# KiCad board MiniCamel.kicad_pcb (continued)
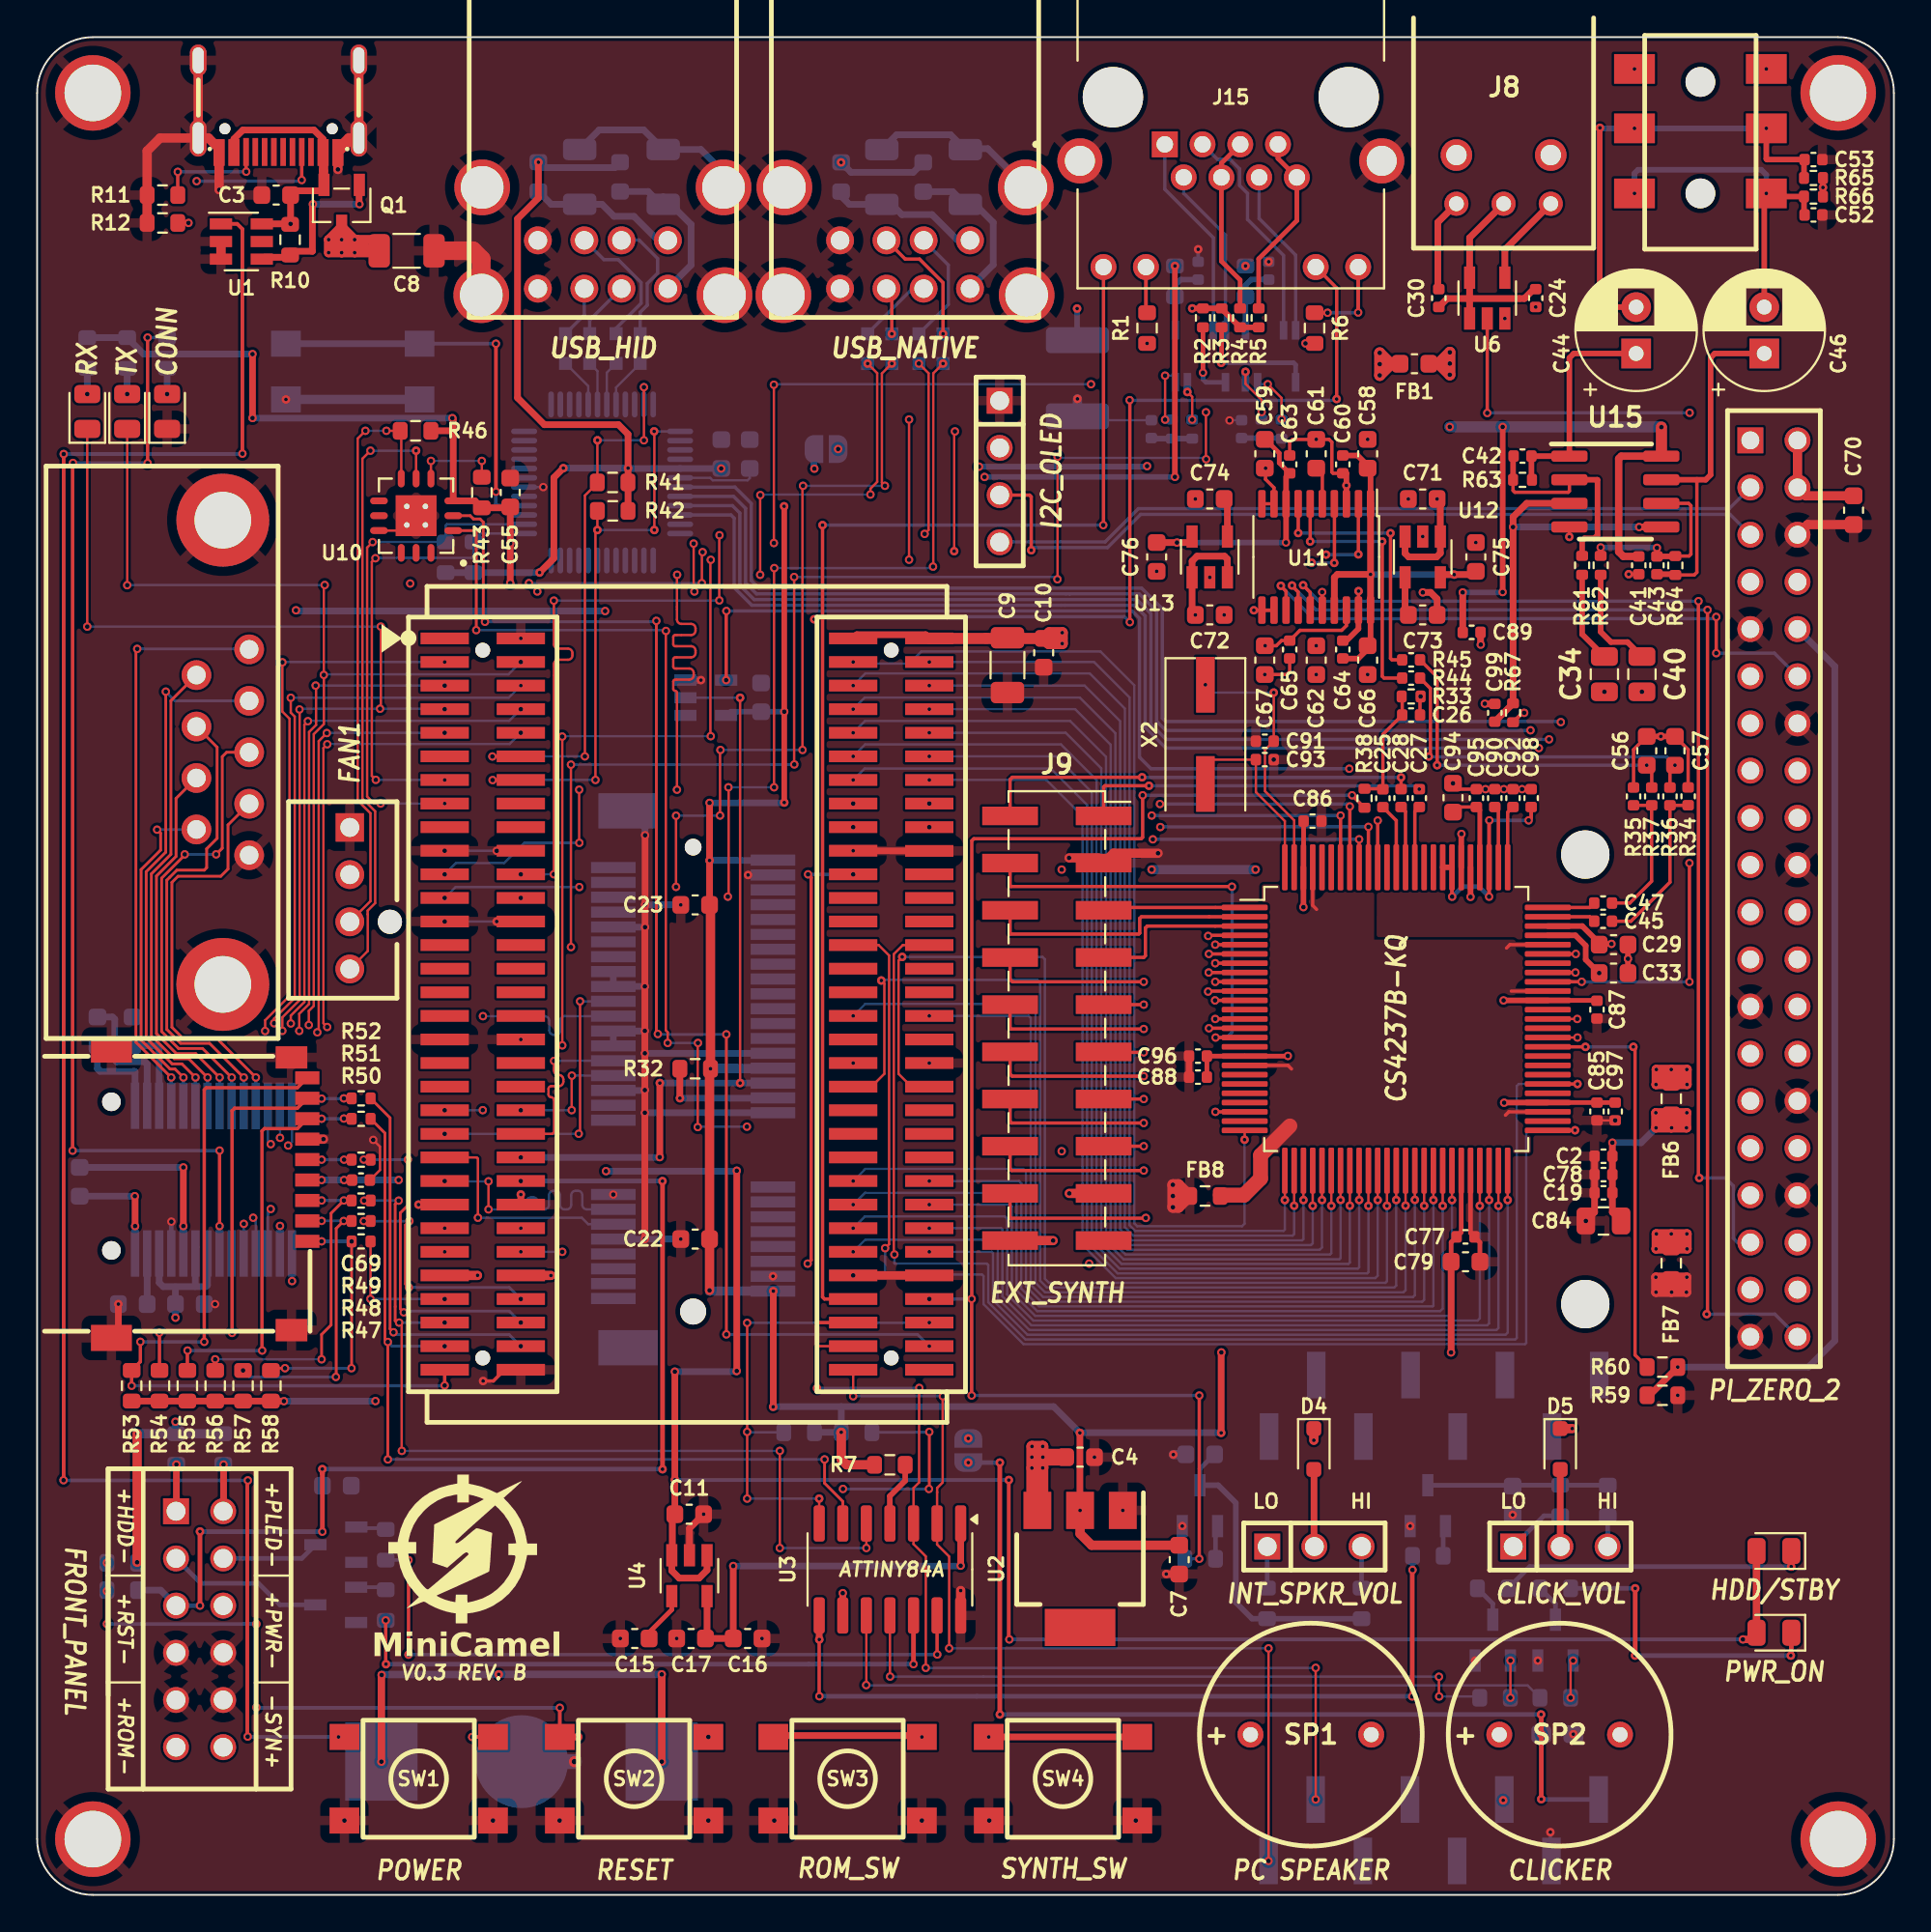
[diagram p0: board, top side]
## Routing (per net, layer and track width the routed paths; a pad name or vN(x,y) marks a point on that pad's centre or on a via; arc(x,y) is an arc through that point) (continued)
SGND: length 17.6
  Top w0.18: U14.18 67.37,44.65 67.56,44.46 ; U14.66 79.4,48.65 ; 79.08,41.97 79.26,42.15 U14.53 ; 79.14,50.97 79.32,51.15 U14.71 ; 68.91,53.05 68.7,53.26 U14.97
  Top w0.36: 63.72,37.62 63.72,37.67
  Top w0.8: 63.72,37.67 65,37.67 65.89,38.56 65.89,39.81 67.47,41.39
VBUS: length 187.2
  Top w0.2: v2(52.33,22.33) 52.33,13.78 v1(52.36,13.75) ; 92.4,14.31 92.4,14.31
  Top w0.36: 37.65,28.17 v1(37.68,28.2) v1(37.68,38.98) ; 10.6,93.82 10.6,94.52 11.08,95 14.91,95 15.4,94.51 15.4,93.82 ; Q1.3 15.45,91.73 13.88,91.73 C3.2 v1(13.65,89.95) ; 34.21,20.36 34.21,18.5 ; U1.6 13.58,89.95 ; v1(34.34,28.17) C11.1 ; U4.1 36.08,17.48 35.65,17.05 34.58,17.05 34.18,17.45 U4.3
  Top w0.4: v1(91.87,13.75) 92.24,13.75 D6.2 D7.2
  Top w0.5: 15.42,92.12 15.42,93.77
  In1.Cu w0.36: 37.66,38.96 v1(37.68,38.98) ; v1(30.59,69.11) 30.59,69.07
  In2.Cu w0.36: v1(30.64,38.96) 30.64,69.06 v1(30.59,69.11) ; v1(13.94,69.15) 13.94,69.15 13.94,84.7 13.65,84.99 v1(13.65,89.95)
  Bottom w0.2: v2(52.33,22.33) 34.35,22.33 v2(34.34,22.34) ; v1(91.87,13.75) v1(52.36,13.75)
  Bottom w0.36: v1(30.59,69.11) 13.98,69.11 v1(13.94,69.15) ; 37.65,28.17 v1(34.34,28.17) ; v1(30.64,38.96) 37.66,38.96
VCC: length 125.3
  Top w0.127: 88.02,41.3 v2(88.03,41.29) 87.99,41.29 88.04,41.29 ; v2(88.85,42.1) 88.84,42.09 88.83,42.09 ; v2(54.16,24.14) 54.16,24.13 ; 87.19,42.09 v2(87.18,42.1)
  Top w0.18: 75.57,73.12 U12.1 ; 55.19,67.63 55.2,67.64 ; 62.2,69.07 v2(62.38,68.9) ; v2(75.4,75.14) 75.57,74.97
  Top w0.36: 72.33,82.42 v1(72.31,82.4) ; C30.1 75.95,85.93 80.1,85.93 80.66,86.49 ; U13.3 64.11,71.91 63.95,72.06 62.47,72.06 62.2,71.8 U13.1 62.2,69.07 ; 48.06,67.64 P1.B2 47.85,67.83 44.15,67.83 P1.B1 ; 77.15,85.04 U6.5 77.15,89.2 J8.2 78.98,91.09 78.89,91.18 ; C84.2 84.84,36.75 C19.2 C2.2 v1(84.84,40.49) ; 54.17,67.64 54.21,67.67 ; U12.3 73.67,72.22 73.87,72.02 75.37,72.02 75.58,72.22 U12.1 ; 75.57,74.97 75.57,73.12
  Top w0.5: v2(15.7,89.1) v2(16.4,88.4) ; v2(15.7,89.1) v2(15.7,88.4) v2(17.1,88.4) ; v2(15.7,89.1) 16.4,89.8 v2(17.1,89.1) ; v2(15.7,89.1) v2(17.1,89.1) ; v2(16.4,88.4) v2(17.1,89.1) ; v2(16.4,88.4) v2(16.4,89.1) Q1.2 ; v2(17.1,89.1) 18.15,89.1 ; v2(17.1,89.1) 17.25,89.1 17.7,88.65 ; v2(17.1,89.1) v2(17.1,88.4) ; v2(5.39,24.82) v1(5.39,17.9) ; v2(88.85,42.1) 88.04,41.29 ; 88.02,42.09 87.19,42.09 87.99,41.29 v2(87.19,41.29) 87.18,41.29 v2(87.18,42.1) ; 88.02,42.09 88.02,41.3 ; 88.02,42.09 88.84,42.09 ; v2(17.1,88.4) 18.33,88.4 ; v2(88.03,41.29) v2(88.83,41.29) 88.83,41.29 88.83,42.09 ; J9.17 v1(55.59,37.76) ; D4.1 v2(68.76,24.47) ; J12.2 J12.4 95.26,75.31 C70.1 ; D5.1 v2(82.68,25.1)
  Top w0.6: 54.17,67.64 54.17,67.63 48.06,67.63 48.06,67.64 ; U2.3 53.58,20.99 v2(53.58,24.14) v2(54.16,24.14) ; FB1.1 72.33,82.42 ; FB1.1 72.89,82.42 v1(72.31,83) v1(72.31,81.8) 72.93,82.42 FB1.1 ; C10.1 55.19,67.63 ; C10.1 54.49,67.36 v2(55.21,67.36) v2(55.21,67.94) 54.52,67.94 C10.1 ; v2(54.16,24.14) v2(54.16,22.98) 54.15,22.98 v2(53.57,22.98) ; v2(54.16,24.14) 54.16,21.32
  Top w0.9: C4.1 54.16,23.56
  In2.Cu w0.36: v1(7.45,25.47) v1(7.45,31.07)
  Bottom w0.127: 54.15,22.98 v2(54.16,22.98)
  Bottom w0.36: v1(84.84,40.49) 86.39,40.49 v2(87.19,41.29) v2(88.83,41.29) ; 7.48,24.82 R13.1 7.45,24.86 v1(7.45,25.47) ; 9.17,34.9 9.17,32.83 9.09,32.74 6.79,32.74 6.57,32.95 6.57,34.9 ; F1.1 47.19,92.72 43.84,92.72 v2(43.3,93.26) ; v1(7.45,31.07) 7.45,32.74 ; 8.52,32.74 8.52,34.81 8.57,34.86
  Bottom w0.5: 5.39,24.83 R19.1
  vias: v1(43.14,77.83) v2(50.15,24.57) v2(53.57,23.56) v2(54.16,23.56)
/_LAN_RX+: length 12.2
  Bottom w0.18: T3.5 67.13,88.25 65.19,90.19 65.19,91.59 64.76,92.02 64.76,92.91 64.25,93.42 63.58,93.42 J15.3
/_LAN_RX-: length 9
  Bottom w0.18: J15.6 65.81,90.24 67.78,88.27 T3.4
/_LAN_TX+: length 11.1
  Bottom w0.18: T2.5 63.35,89.2 60.73,91.82 J15.1
/_LAN_TX-: length 9.2
  Bottom w0.18: T2.4 64,89.35 61.75,91.6 J15.2
/_RESET: length 3.5
  Top w0.3: 45.92,20 45.92,21.47 46.75,22.29 R7.1
/A0: length 56.2
  Top w0.127: v2(65.03,40.65) 65.04,40.66 U14.25
  Bottom w0.127: v2(43.95,66.37) 44.03,66.28 46.97,66.28 47.62,66.93 57.27,66.93 59.09,65.11 59.09,36.15 59.25,35.99 64.89,35.99 65.03,36.13 v2(65.03,40.65)
/A1: length 51.7
  Top w0.127: 67.2,39 v2(67.2,37.4)
  Bottom w0.127: v2(48.05,66.37) 56.92,66.37 58.84,64.45 58.84,36.04 59.14,35.74 67.13,35.74 67.2,35.81 v2(67.2,37.4)
/A2: length 56.4
  Top w0.127: 67.7,39 v2(67.7,37.09)
  Bottom w0.127: v2(67.7,37.09) 67.7,35.57 67.62,35.49 59.04,35.49 58.58,35.94 58.58,63.86 56.69,65.75 44.61,65.75 v2(43.95,65.09)
/A3: length 52.3
  Top w0.127: 68.2,39 68.2,37.4 v2(68.2,37.4)
  Bottom w0.127: v2(48.05,65.09) 56.42,65.09 58.33,63.18 58.33,35.83 58.93,35.23 68.13,35.23 68.2,35.3 v2(68.2,37.4)
/A4: length 56.9
  Top w0.127: 68.7,39 68.7,37.09 v2(68.7,37.09)
  Bottom w0.127: v2(43.95,63.83) 44.58,64.45 56.16,64.45 58.07,62.53 58.07,35.73 58.83,34.98 68.61,34.98 68.7,35.07 v2(68.7,37.09)
/A5: length 52.8
  Top w0.127: 69.2,39 69.2,37.4 v2(69.2,37.4)
  Bottom w0.127: v2(48.05,63.83) 55.91,63.83 57.82,61.91 57.82,35.62 58.72,34.72 69.07,34.72 69.2,34.85 v2(69.2,37.4)
/A6: length 57.5
  Top w0.127: v2(69.7,37.09) 69.7,37.09 69.7,39
  Bottom w0.127: v2(69.7,37.09) 69.7,34.54 69.63,34.47 58.61,34.47 57.57,35.52 57.57,61.26 55.64,63.19 44.58,63.19 v2(43.95,62.55)
/A7: length 53.4
  Top w0.127: v2(70.2,37.41) 70.2,37.41 70.2,39
  Bottom w0.127: v2(70.2,37.41) 70.2,34.28 70.14,34.22 58.51,34.22 57.31,35.41 57.31,60.64 55.39,62.55 v2(48.05,62.55)
/A8: length 58.1
  Top w0.127: v2(70.7,37.1) 70.7,37.1 70.7,39
  Bottom w0.127: v2(43.95,61.28) 44.59,61.93 55.14,61.93 57.06,60.01 57.06,35.31 58.4,33.96 70.62,33.96 70.7,34.04 v2(70.7,37.1)
/A9: length 54
  Top w0.127: 71.2,39 71.2,37.4 v2(71.2,37.4)
  Bottom w0.127: v2(48.05,61.28) 54.88,61.28 56.8,59.36 56.8,35.2 58.3,33.71 71.13,33.71 71.2,33.78 v2(71.2,37.4)
/A10: length 58.6
  Top w0.127: v2(71.7,37.09) 71.7,37.09 71.7,39
  Bottom w0.127: v2(43.95,60.02) 44.56,60.63 54.59,60.63 56.55,58.67 56.55,35.1 58.19,33.45 71.63,33.45 71.7,33.52 v2(71.7,37.09)
/A11: length 54.5
  Top w0.127: v2(72.2,37.4) 72.2,37.4 72.2,39
  Bottom w0.127: v2(48.05,60.02) 54.36,60.02 56.3,58.07 56.3,34.99 58.09,33.2 72.07,33.2 72.2,33.33 v2(72.2,37.4)
/A12: length 29.3
  Top w0.18: U14.94 v1(70.2,58.1)
  In1.Cu w0.18: v1(60.03,58.1) 46.05,58.1 45.41,58.75 v1(43.95,58.75)
  Bottom w0.18: v1(70.2,58.1) v1(60.03,58.1)
/A13: length 26
  Top w0.18: v1(70.7,58.59) U14.93
  In1.Cu w0.18: v1(60.47,58.72) 60.47,58.72 48.07,58.72 v1(48.05,58.75)
  Bottom w0.18: v1(70.7,58.59) 70.57,58.72 v1(60.47,58.72)
/A14: length 29
  Top w0.18: v1(71.2,56.82) U14.92
  In1.Cu w0.18: v1(60.09,56.82) 46.07,56.82 45.42,57.47 v1(43.95,57.47)
  Bottom w0.18: v1(71.2,56.82) v1(60.09,56.82)
/A15: length 25.8
  Top w0.18: U14.91 v1(71.7,57.49)
  In1.Cu w0.18: v1(60.49,57.48) 60.48,57.47 v1(48.05,57.47)
  Bottom w0.18: v1(71.7,57.49) 60.5,57.49 v1(60.49,57.48)
/AEN: length 51.6
  Top w0.127: 73.7,39 73.7,37.1 v2(73.7,37.1)
  Bottom w0.127: v2(73.7,37.1) 73.7,32.55 73.59,32.44 54.28,32.44 53.77,32.95 53.77,47.81 53.62,47.96 44.59,47.96 v2(43.95,47.31)
/AUDIO_VREF: length 22.8
  Top w0.36: C99.1 79.49,64.13 R67.1 v1(79.49,73.63) 79.49,74.17 80.22,74.91 U15.3 ; v1(86.28,73.63) 86.28,73.63 U15.5
  Bottom w0.36: v1(86.28,73.63) 86.27,73.64 79.5,73.64 v1(79.49,73.63)
/CTS1: length 42.3
  Top w0.127: v1(15.62,46.72) 15.42,46.92 15.42,61.73 v1(15.62,61.94)
  In2.Cu w0.127: v1(15.62,46.72) 15.62,46.34 14.06,44.77 14.06,40.78 14.35,40.49 14.35,33.66 v1(13.73,33.04)
  Bottom w0.127: v1(13.73,33.04) 13.73,33.05 U5.15 ; v1(26.05,62.55) 25.45,61.95 15.64,61.95 v1(15.62,61.94)
/D0: length 44.6
  Top w0.127: 74.7,39 74.7,37.09 v2(74.7,37.09)
  Bottom w0.127: v2(74.7,37.09) 74.7,32.03 74.6,31.93 54.07,31.93 53.26,32.74 53.26,38.93 53.11,39.08 44.61,39.08 v2(43.95,38.42)
/D1: length 40.6
  Top w0.127: 75.2,39 75.2,37.4 v2(75.2,37.4)
  Bottom w0.127: v2(48.05,38.42) 52.89,38.42 53,38.31 53,32.64 53.97,31.68 75.16,31.68 75.2,31.72 v2(75.2,37.4)
/D2: length 45.2
  Top w0.127: 75.7,39 75.7,37.09 v2(75.7,37.09)
  Bottom w0.127: v2(43.95,37.16) 44.58,37.79 52.62,37.79 52.75,37.66 52.75,32.53 53.86,31.42 75.56,31.42 75.7,31.56 v2(75.7,37.09)
/D3: length 41.1
  Top w0.127: v2(76.2,37.4) 76.2,37.4 76.2,39
  Bottom w0.127: v2(48.05,37.16) 52.39,37.16 52.5,37.05 52.5,32.43 53.76,31.17 76.13,31.17 76.2,31.24 v2(76.2,37.4)
/D4: length 46.7
  Top w0.127: 77.7,39 v2(77.7,37.09)
  Bottom w0.127: v2(43.95,35.89) 44.58,36.52 52.13,36.52 52.24,36.41 52.24,32.32 53.65,30.91 77.58,30.91 77.7,31.03 v2(77.7,37.09)
/D5: length 42.7
  Top w0.127: 78.2,39 78.2,37.4 v2(78.2,37.4)
  Bottom w0.127: v2(78.2,37.4) 78.2,30.76 78.1,30.66 53.55,30.66 51.99,32.22 51.99,35.82 51.92,35.89 v2(48.05,35.89)
/D6: length 47.4
  Top w0.127: 78.7,39 78.7,37.09 v2(78.7,37.09)
  Bottom w0.127: v2(43.95,34.61) 44.59,35.26 51.71,35.26 51.73,35.24 51.73,32.11 53.44,30.41 78.6,30.41 78.7,30.51 v2(78.7,37.09)
/D7: length 43.3
  Top w0.127: 79.2,39 79.2,37.4 v2(79.2,37.4)
  Bottom w0.127: v2(48.05,34.61) 51.42,34.61 51.48,34.56 51.48,32.01 53.34,30.15 79.09,30.15 79.2,30.26 v2(79.2,37.4)
/DCD1: length 41.8
  Top w0.127: v1(12.28,46.5) 12.28,47.08 13.59,48.39 13.59,63.31 13.21,63.7 13.21,66.35 v1(13.21,66.35)
  In2.Cu w0.127: v1(11.13,36.12) 11.13,36.57 11.48,36.92 11.48,40.89 12.28,41.69 v1(12.28,46.5)
  Bottom w0.127: v2(21.95,66.37) 13.23,66.37 v1(13.21,66.35) ; v1(11.13,36.12) 11.12,36.11 U5.19
/DRQ1: length 71.8
  Top w0.127: P1.B27 45.33,51.12 45.89,50.56 45.89,35.03 v1(45.67,34.81)
  Top w0.18: U14.51 82.82,41.15 v2(82.83,41.16)
  Bottom w0.127: v2(82.83,41.16) 80.37,41.16 80.2,40.99 80.2,29.71 80.13,29.64 53.13,29.64 50.97,31.8 50.97,33.31 50.89,33.39 45.75,33.39 45.67,33.47 v1(45.67,34.81)
/DSR1: length 35.7
  Top w0.127: v1(15.09,46.43) 15.16,46.5 15.16,62.1 v1(15.6,62.54)
  In2.Cu w0.127: v1(13.08,36.01) 14.1,37.03 14.1,40.38 13.8,40.68 13.8,44.88 15.09,46.16 v1(15.09,46.43)
  Bottom w0.127: U5.16 13.08,36 v1(13.08,36.01) ; v1(21.95,62.55) 15.62,62.55 v1(15.6,62.54)
/DTR1: length 37.5
  Top w0.127: v1(14.58,63.18) 14.39,62.99 14.39,48.06 13.66,47.33 v1(13.66,46.9)
  In2.Cu w0.127: v1(13.66,46.9) 13.66,45.81 13.04,45.19 13.04,41.36 12.58,40.9 v1(12.58,40.41)
  Bottom w0.127: U5.12 12.42,40.57 v1(12.58,40.41) ; v1(26.05,63.83) 25.42,63.2 14.6,63.2 v1(14.58,63.18)
/FM_A0: length 24.1
  Top w0.18: U14.14 63.11,46.65 v1(63.11,46.65) ; J9.18 52.4,36.48 52.46,36.42 59.69,36.42 v1(59.71,36.44)
  In2.Cu w0.18: v1(63.11,46.65) 62.84,46.65 62.76,46.57 62.76,36.53 62.65,36.42 59.73,36.42 v1(59.71,36.44)
/FM_A1: length 21.9
  Top w0.18: v1(63.45,47.15) U14.13 ; v1(59.6,38.99) 52.49,38.99 52.4,39.08 J9.16
  In2.Cu w0.18: v1(63.45,47.15) 62.53,47.15 62.45,47.07 62.45,39.09 62.35,38.99 v1(59.6,38.99)
/FM_D0: length 19.4
  Top w0.18: v1(59.6,44.07) 52.51,44.07 52.4,44.18 J9.12 ; U14.8 v1(63.1,49.65)
  In2.Cu w0.18: v1(63.1,49.65) 61.34,49.65 61.22,49.53 61.22,44.14 61.15,44.07 v1(59.6,44.07)
/FM_D1: length 12.3
  Top w0.18: J9.11 57.47,45.35 v1(59.6,45.35) ; U14.7 v1(63.45,50.15)
  In2.Cu w0.18: v1(63.45,50.15) 61.04,50.15 60.92,50.03 60.92,45.48 60.79,45.35 v1(59.6,45.35)
/FM_D2: length 17.9
  Top w0.18: J9.10 52.4,46.66 52.45,46.61 59.61,46.61 ; U14.6 v1(63.11,50.65)
  In2.Cu w0.18: v1(63.11,50.65) 60.69,50.65 60.61,50.57 60.61,46.7 60.52,46.61 v1(59.6,46.61)
/FM_D3: length 10.7
  Top w0.18: U14.5 v1(63.45,51.15) ; 59.61,47.92 J9.9
  In2.Cu w0.18: v1(59.6,47.92) 60.24,47.92 60.3,47.98 60.3,51.05 60.4,51.15 v1(63.45,51.15)
/FM_D4: length 16.3
  Top w0.18: U14.4 63.1,51.65 v1(63.07,51.62) ; 59.61,49.15 52.53,49.15 52.4,49.28 J9.8
  In2.Cu w0.18: v1(63.07,51.62) 60.05,51.62 60,51.57 60,49.22 59.93,49.15 v1(59.6,49.15)
/FM_D5: length 9.2
  Top w0.18: U14.3 59.79,52.15 59.69,52.05 59.69,50.55 59.6,50.46 J9.7
/FM_D6: length 14.7
  Top w0.18: J9.6 52.4,51.76 52.44,51.72 59.33,51.72 59.38,51.77 59.38,52.56 59.47,52.65 63.11,52.65 63.12,52.65 63.12,52.65 U14.2
/FM_D7: length 7.7
  Top w0.18: J9.5 57.59,53.15 U14.1
/FM_SYNTH_L: length 18.7
  Top w0.18: v2(59.88,59.7) 57.5,59.7 57.44,59.64 J9.1
  Bottom w0.18: v2(74.44,59.52) 74.26,59.7 59.88,59.7 v2(59.88,59.7)
/FM_SYNTH_R: length 23.7
  Top w0.18: v2(59.51,60.16) 52.52,60.16 52.4,60.04 J9.2 ; C28.2 v2(73.46,60.15)
  Bottom w0.18: v2(73.46,60.15) 59.52,60.15 v2(59.51,60.16)
/HDD_LED+: length 2.5
  Top w0.36: v1(7.5,23.17) 7.5,20.67 J3.1
/HDD_LED-: length 8.5
  Bottom w0.25: J3.2 8.82,16.77 11.92,16.77 13.08,15.61 Q3.3
/HID_VCC: length 54.5
  Top w0.36: v2(28.34,76.8) 27.83,76.29 27.83,71.95 v2(27.06,71.18) ; v2(26.99,93.27) 26.99,91.34 25.87,90.22 25.87,80.59 27.32,79.14 31.31,79.14 31.83,78.62 v2(31.83,76.8) R42.2
  In1.Cu w0.36: v1(36.84,76.78) 36.85,76.77 v1(41.86,76.77)
  Bottom w0.36: JP3.2 41.84,76.79 v1(41.86,76.77) ; v2(26.99,93.27) 27.28,92.98 31.11,92.98 F2.1 ; R40.2 27.05,71.17 v2(27.06,71.18) ; v1(36.84,76.78) U9.41 31.84,76.78 v2(31.83,76.8) v2(28.34,76.8)
/I2S_BCLK: length 32.5
  Top w0.18: U11.13 67.27,70.17 66.98,70.45 v2(66.98,70.47) ; v1(90.43,66.84) v1(90.43,68.79)
  Bottom w0.18: v1(90.43,66.84) 93.57,66.84 J12.12 ; v2(66.98,70.47) 66.98,70.45 68.74,68.7 90.34,68.7 v1(90.43,68.79)
/I2S_DATA: length 67.7
  Top w0.18: U11.14 67.92,70.13 67.57,70.48 ; v2(89.92,31.26) 89.96,31.3 v1(89.96,69.17)
  Bottom w0.18: 67.57,70.48 67.58,70.48 v2(67.59,70.48) 67.59,70.47 68.88,69.17 v1(89.96,69.17) ; v2(89.92,31.26) 93.59,31.26 J12.40
/I2S_LRCLK: length 60.1
  Top w0.18: v2(89.52,38.59) 89.47,38.63 89.47,69.63 v1(89.48,69.64) ; v2(68.18,70.5) 68.56,70.12 U11.15
  Bottom w0.18: v2(89.52,38.59) 90.93,38.59 91.35,38.17 91.35,35.35 91.58,35.12 J12.35 ; v1(89.48,69.64) 69.04,69.64 68.18,70.49 v2(68.18,70.5)
/IOCHRDY: length 47.6
  Top w0.127: v2(74.2,37.41) 74.2,37.41 74.2,39
  Bottom w0.127: v2(74.2,37.41) 74.2,32.28 74.1,32.18 54.18,32.18 53.51,32.85 53.51,47.21 53.41,47.31 v2(48.05,47.31)
/IRQ7: length 55
  Top w0.18: v1(41.52,54.94) 41.69,54.77 41.69,34.17 v1(41.5,33.98) ; v1(63.46,42.15) U14.23
  In1.Cu w0.18: v1(41.5,33.98) v1(56.66,33.98)
  In2.Cu w0.18: v1(63.46,42.15) 63.21,42.15 63.07,42.01 63.07,34.18 62.87,33.98 v1(56.66,33.98)
  Bottom w0.18: v1(41.52,54.94) v1(43.95,54.94)
/JAB1: length 73.1
  Top w0.18: U14.70 v1(82.87,50.65)
  In2.Cu w0.18: v1(82.87,50.65) 81.74,51.78 81.74,61.46 82.06,61.78 v1(82.06,63.13)
  Bottom w0.18: v1(82.06,63.13) 82.03,63.16 60.78,63.16 60.6,63.34 60.6,69.23 59.48,70.34 38.87,70.34 38.46,70.75 38.46,74.9 37.58,75.78 U9.43
/JAB2: length 76
  Top w0.127: v1(82.96,46.15) U14.61
  In2.Cu w0.18: v1(82.96,46.15) 80.82,48.29 80.82,61.13 80.41,61.54 80.41,62.67 v1(80.43,62.69)
  Bottom w0.18: U9.44 37.51,75.28 38.16,74.63 38.16,70.62 38.75,70.03 55.4,70.03 55.61,70.03 59.36,70.03 60.29,69.1 60.29,63.18 60.79,62.68 80.42,62.68 v1(80.43,62.69)
/JACX: length 72.4
  Top w0.18: U14.68 v1(82.85,49.65)
  In2.Cu w0.18: v1(81.43,62.2) 81.43,51.07 v1(82.85,49.65)
  Bottom w0.18: v1(81.43,62.2) 81.43,62.2 60.8,62.2 59.98,63.02 59.98,68.97 59.23,69.73 38.62,69.73 37.85,70.5 37.85,74.38 37.45,74.78 U9.45
/JACY: length 74.2
  Top w0.127: v1(82.95,47.15) U14.63
  In2.Cu w0.18: v1(82.95,47.15) 81.12,48.98 81.12,61.49 v1(80.88,61.73)
  Bottom w0.18: v1(80.88,61.73) 60.79,61.73 59.68,62.84 59.68,68.84 59.1,69.42 55.15,69.42 38.49,69.42 37.54,70.37 37.54,74.11 37.37,74.28 U9.46
/KBCLK: length 30.1
  Top w0.127: v1(29.5,61.28) 29.5,75.33 30.17,76 30.17,78.3 v2(30.18,78.3) ; v1(32.68,78.3) v1(32.68,81.16) ; v1(24.52,61.28) 24.52,61.28 P1.A12
  Bottom w0.127: v2(30.18,78.3) v1(32.68,78.3) ; v1(29.5,61.28) 24.52,61.28 ; U9.35 v1(32.68,81.16)
/KBDATA: length 31.4
  Top w0.127: v2(33.23,78.78) 33.24,78.77 v2(33.24,73.47) ; R42.1 v2(30.17,73.47) 30.07,73.37 v1(30.07,60.02) ; P1.A14 24.53,60.02 v1(24.53,60.01)
  Bottom w0.127: v2(33.24,73.47) v2(30.17,73.47) ; v1(30.07,60.02) 24.53,60.02 ; v2(33.23,78.78) U9.37
/LAN_RX+: length 83.2
  Top w0.127: v1(36.28,71.87) 36.26,71.85 36.26,62.39 v1(36.28,62.37) ; v1(60.75,79.41) v1(60.75,81.78) ; v1(28.28,45.73) 28.28,62.35 v1(28.28,62.35) ; v1(46.96,79.42) v1(46.96,71.87)
  In1.Cu w0.127: v1(46.96,79.42) 46.97,79.41 v1(60.75,79.41) ; v1(36.28,71.87) 46.96,71.87 v1(46.96,71.87)
  In2.Cu w0.127: v1(28.28,45.73) v1(28.28,34.61)
  Bottom w0.127: v1(60.75,81.78) 61.3,81.78 T2.1 ; v1(28.28,34.61) v2(26.05,34.61) ; v1(60.75,79.41) R69.1 ; v1(28.28,62.35) 28.3,62.37 v1(36.28,62.37)
/LAN_RX-: length 81.5
  Top w0.127: v1(49.43,78.78) 49.39,78.74 v2(49.39,72.33) ; v2(61.95,80.9) 62.21,80.64 v1(62.21,79.41) ; v1(35.8,70.61) 35.8,72.24 v1(35.84,72.28)
  In1.Cu w0.127: v1(35.84,72.28) 35.88,72.32 49.38,72.32 v2(49.39,72.33) ; v1(62.21,79.41) 61.58,78.78 v1(49.43,78.78)
  In2.Cu w0.127: v1(26.49,70.61) 26.49,69.98 26.7,69.77 26.7,36.09 26.5,35.89 v2(26.05,35.89)
  Bottom w0.127: v2(61.95,80.9) T2.2 ; v1(26.49,70.61) v1(35.8,70.61)
/LAN_TX+: length 92.2
  Top w0.127: v1(28.75,60.84) v1(28.75,51.02) ; v1(40.78,60.85) 40.77,60.86 v1(40.77,70.94) ; v1(62.96,77.28) 62.95,77.29 v1(62.95,79.81) ; v1(65.95,79.82) 65.95,80.47 65.08,81.34 v2(65.08,81.99) ; v1(54.96,77.41) 54.96,70.83 v1(54.95,70.82)
  In1.Cu w0.127: v1(62.95,79.81) 62.96,79.82 v1(65.95,79.82)
  In2.Cu w0.127: v1(28.75,51.02) 27.46,51.02 27.21,50.77 27.21,35.88 26.54,35.21 22.55,35.21 v2(21.95,34.61)
  Bottom w0.127: T3.1 v2(65.08,81.99) ; v1(62.96,77.28) 62.89,77.35 55.02,77.35 v1(54.96,77.41) ; v1(40.78,60.85) 40.77,60.84 28.75,60.84 v1(28.75,60.84) ; v1(54.95,70.82) 54.83,70.94 v1(40.77,70.94) ; R70.1 65.95,79.42 v1(65.95,79.82)
/LAN_TX-: length 93.1
  Top w0.127: v1(35.36,72.74) 35.36,70.2 v1(35.4,70.16) ; v1(67.02,79.44) 67.02,80.58 v1(66.28,81.32) ; v1(39.68,72.77) v1(39.68,81.29)
  In1.Cu w0.127: v1(35.36,72.74) 39.65,72.74 v1(39.68,72.77) ; v1(66.28,81.32) v1(56.76,81.32)
  In2.Cu w0.127: v1(26.94,70.16) 26.96,70.18 26.96,35.99 26.44,35.46 22.37,35.46 v2(21.95,35.89)
  Bottom w0.127: R72.1 v1(67.02,79.44) ; T3.2 65.83,81.32 v1(66.28,81.32) ; v1(26.94,70.16) 27.14,70.36 35.2,70.36 v1(35.4,70.16) ; v1(39.68,81.29) 39.71,81.32 v1(56.76,81.32)
/LINE_OUT_CS_L: length 18.1
  Top w0.3: v1(84.79,51.19) 84.18,51.19 83.22,52.15 U14.73
  In2.Cu w0.3: v1(84.79,51.19) 84.79,52.12 85.65,52.98 85.65,63.98 v1(86.43,64.76)
/LINE_OUT_CS_R: length 20
  Top w0.3: U14.72 82.85,51.65 83.4,51.1 83.4,50.35 v1(84.13,49.62)
  In2.Cu w0.3: v1(84.41,64.76) 85.22,63.95 85.22,53.15 84.13,52.06 v1(84.13,49.62)
/MIDI_AUDIO_L: length 19.3
  Top w0.18: v2(88.21,60.81) 87.94,60.54 R36.1 ; v2(74.95,61.28) 75.04,61.36 75.04,64.94 R44.2
  Bottom w0.18: v2(74.95,61.28) 74.97,61.26 87.76,61.26 v2(88.21,60.81)
/MIDI_AUDIO_R: length 18.7
  Top w0.18: R37.1 86.96,60.54 v2(86.69,60.81) ; v2(75.4,60.81) 75.4,65.56 R45.2
  Bottom w0.18: v2(86.69,60.81) v2(75.4,60.81)
/MIDI_OUT: length 22.3
  Top w0.18: v2(85.97,45.65) 86.06,45.56 86.06,29.06 R60.1 ; U14.60 83.39,45.65 v2(83.39,45.65) ; 86.64,28.79 86.71,28.72
  Bottom w0.18: v2(85.97,45.65) v2(83.39,45.65)
/MSCLK: length 24.8
  Top w0.127: v1(18.24,60.02) 18.03,60.23 18.03,71.76 v1(18.22,71.95)
  Bottom w0.127: R39.1 23.5,72.08 23.39,71.97 18.24,71.97 v1(18.22,71.95) ; U9.13 23.88,73.28 23.5,72.9 ; v2(21.95,60.02) 18.24,60.02 v1(18.24,60.02)
/MSDATA: length 27.5
  Top w0.127: 18.37,58.75 18.15,58.75 17.77,59.12 17.77,72.52 v1(18.07,72.82)
  Bottom w0.127: R40.1 18.08,72.83 v1(18.07,72.82) ; 18.37,58.75 v2(21.95,58.75) ; 22,72.6 22,73.71 22.07,73.78 U9.14
  vias: v1(18.5,58.75)
/PE0_CLK+: length 14.7
  Top w0.127: v1(24.31,36.9) v1(24.31,38.41)
  Bottom w0.127: v1(24.31,36.9) 26.12,36.9 arc(26.29,36.97) 26.36,37.14 26.36,37.31 arc(26.43,37.48) 26.6,37.55 26.72,37.55 arc(26.89,37.48) 26.96,37.31 26.96,37.14 arc(27.03,36.97) 27.2,36.9 27.32,36.9 arc(27.49,36.97) 27.56,37.14 27.56,37.66 arc(27.63,37.83) 27.8,37.9 27.92,37.9 arc(28.09,37.83) 28.16,37.66 28.16,37.14 arc(28.23,36.97) 28.4,36.9 28.52,36.9 arc(28.69,36.97) 28.76,37.14 28.76,37.66 arc(28.83,37.83) 29,37.9 29.12,37.9 arc(29.29,37.83) 29.36,37.66 29.36,37.14 arc(29.43,36.97) 29.6,36.9 J4.13 ; v1(24.31,38.41) 21.97,38.41 v1(21.95,38.42)
/PE0_CLK-: length 12.4
  Top w0.127: v1(23.74,36.45) 23.74,39.63 23.67,39.69 P1.A45
  Bottom w0.127: J4.11 29.68,36.1 29.33,36.45 v1(23.74,36.45)
/PE0_RX+: length 16.2
  Top w0.127: v1(29.24,48.1) 29.24,48.1 29.24,41.04 v1(29.17,40.97)
  Bottom w0.127: v1(29.17,40.97) 29.16,40.97 v1(21.95,40.97) ; J4.33 v1(29.24,48.1)
/PE0_RX-: length 15.7
  Top w0.127: v1(24.01,47.3) 24,47.29
  In2.Cu w0.127: 24,47.29 v1(24,42.24)
  Bottom w0.127: J4.31 28.42,47.3 arc(28.25,47.23) 28.18,47.06 28.18,46.54 arc(28.11,46.37) 27.94,46.3 27.82,46.3 arc(27.65,46.37) 27.58,46.54 27.58,47.06 arc(27.51,47.23) 27.34,47.3 v1(24.01,47.3) ; v1(21.95,42.23) 23.99,42.23 v1(24,42.24)
/PE0_TX+: length 10
  Top w0.127: P1.A44 27.76,40.97 27.84,41.05 27.84,42.78 arc(27.8,42.89) 27.69,42.93 arc(27.58,42.98) 27.54,43.08 27.54,43.38 arc(27.58,43.49) 27.69,43.53 28.1,43.53 arc(28.27,43.6) 28.34,43.77 28.34,43.89 arc(28.27,44.06) 28.1,44.13 28.08,44.13 arc(27.91,44.2) 27.84,44.37 v1(27.84,44.89)
  Bottom w0.127: J4.25 27.85,44.9 v1(27.84,44.89)
/PE0_TX-: length 6.8
  Top w0.127: v1(28.8,44.1) 28.79,44.09 v1(28.79,42.24)
  Bottom w0.127: v1(26.05,42.23) 28.78,42.23 v1(28.79,42.24) ; v1(28.8,44.1) J4.23
/PI_SCL: length 44.6
  Top w0.18: J14.3 53.45,75.35 53.54,75.26 v2(53.54,72.38)
  Bottom w0.18: J12.5 91.17,74.31 59.44,74.31 57.65,72.52 53.68,72.52 v2(53.54,72.38)
/PI_SDA: length 41.7
  Bottom w0.18: J12.3 91.13,74.62 59.31,74.62 57.52,72.83 51.86,72.83 J14.4
/PWM1: length 32.9
  Top w0.127: v1(17.95,77.74) 17.52,77.31 17.52,59.02 18.21,58.33 18.21,53.39 17.8,52.98 17.8,52.79 17.81,52.78 17.81,50.81 P2.4 ; U10.5 v2(20.41,77.74)
  Bottom w0.127: v2(20.41,77.74) v1(17.95,77.74)
/PWM_CLICK: length 43.9
  Top w0.127: v2(42.12,13.75) 42.12,13.75
  Top w0.18: 42.12,13.75 42.12,10.7 v1(42.13,10.69)
  Top w0.25: v1(74.08,17.49) 74.06,17.47 v1(74.06,10.68)
  Top w0.36: 42.12,13.75 U3.8
  Bottom w0.25: v1(74.06,10.68) 74.05,10.69 v1(42.13,10.69) ; v1(74.08,17.49) R21.1
/PWM_GREEN: length 40.3
  Top w0.127: U3.10 44.66,11.3 v1(44.65,11.29)
  Bottom w0.127: R23.1 80.27,11.28 44.66,11.28 v1(44.65,11.29)
/PWM_HDD: length 33.4
  Top w0.18: 18.77,12.43 v1(18.77,14.78)
  Top w0.25: v1(47.2,12.42) U3.12
  Bottom w0.25: 18.77,12.43 v2(18.79,12.42) 41.55,12.42 41.55,12.42 v1(47.2,12.42)
/PWM_PWR: length 36.9
  Top w0.18: v1(48.48,12.94) 48.47,12.95 U3.13 ; v1(20,18.02) v1(20,12.93)
  Bottom w0.127: 20,18.02 v1(20,18.02)
  Bottom w0.18: v1(20,12.93) 48.47,12.93 v1(48.48,12.94) ; R14.1 20,18.02
/PWM_RED: length 36.1
  Top w0.127: v1(75.5,11.74) 75.5,10.69 v1(75.51,10.68) ; U3.11 45.93,11.76 v1(45.94,11.75)
  Bottom w0.127: v1(45.94,11.75) 75.49,11.75 v1(75.5,11.74) ; R22.1 77.62,10.68 v1(75.51,10.68)
/PWR_LED+: length 2.5
  Top w0.36: J3.12 10.04,20.67 v1(10.04,23.16)
/PWR_LED-: length 5.3
  Bottom w0.25: Q2.3 14.25,18.11 J3.11
/PWR_SW: length 114.9
  Top w0.2: v1(1.42,22.32) 1.43,22.33 v1(1.43,77.56) ; 10.2,89.95 10.77,89.95 11.06,89.67 v1(11.06,77.58) ; v1(23.43,8.5) SW1.2 ; v1(11.34,8.52) 11.32,8.54 11.32,22.28 v1(11.35,22.31)
  In1.Cu w0.2: v2(16.23,8.5) v1(23.43,8.5)
  Bottom w0.2: v2(16.23,8.5) 11.36,8.5 v1(11.34,8.52) ; v1(1.42,22.32) 1.43,22.31 v1(11.35,22.31) ; v1(1.43,77.56) 11.04,77.56 v1(11.06,77.58)
/RI1: length 43.6
  Top w0.127: v1(12.76,46.92) 12.76,47.17 13.87,48.28 13.87,63.43 13.66,63.64 v1(13.66,64.44)
  In2.Cu w0.127: v1(11.64,36.45) 11.73,36.55 11.73,40.78 12.53,41.58 12.53,45.4 12.75,45.62 12.75,46.7 12.76,46.71 v1(12.76,46.92)
  Bottom w0.127: v1(13.66,64.44) 25.4,64.44 v2(26.05,65.09) ; v1(11.64,36.45) 11.77,36.31 U5.18
/ROM_SW: length 107.8
  Top w0.36: 39.73,8.58 47.58,8.58
  In2.Cu w0.18: J12.13 90.68,61.46 90.68,9.13 87.55,6 84.09,6 50.15,6 v2(47.65,8.5)
/RS_CTS1: length 20.6
  Top w0.15: v1(9.83,44) 9.82,44 8.54,45.28 7.5,45.28 6.43,46.36 6.43,54.85 7.48,55.9 7.48,59.02 J5.8
  Bottom w0.15: v1(9.83,44) 9.83,42.48
  Bottom w0.36: 9.83,42.48 U5.8
/RS_DCD1: length 31.5
  Top w0.15: v1(7.22,44) 5.32,45.9 5.32,67 v1(5.39,67.07)
  Bottom w0.15: v1(5.39,67.07) 11.4,67.07 J5.1 ; U5.4 7.22,42.48 7.22,44.07 7.23,44.08
/RS_DSR1: length 25.9
  Top w0.15: J5.6 7.2,64.28 7.2,56.01 6.15,54.96 6.15,46.24 7.39,45.01 8.16,45.01 9.17,44 v1(9.18,44)
  Bottom w0.15: U5.7 9.17,44
  Bottom w0.36: 9.17,44 v1(9.18,44)
/RS_DTR1: length 22.3
  Top w0.15: J5.4 10.28,57.59 10.28,55.22 9.89,54.83 7.59,54.83 7.26,54.5 7.26,46.7 7.85,46.12 9.66,46.12 v1(11.78,44)
  Bottom w0.15: v1(11.78,44) 11.78,42.48
  Bottom w0.36: 11.78,42.48 U5.11
/RS_RI1: length 18.6
  Top w0.15: v1(6.46,57.34) 6.65,57.15 6.65,56.24 5.6,55.19 5.6,46.01 7.16,44.45 7.43,44.45 v1(7.88,44)
  Bottom w0.15: U5.5 7.88,44 v1(7.88,44) ; J5.9 8.57,57.34 v1(6.46,57.34)